# Altium PCB Flight_Computer_Unit.PcbDoc (part 2 of 3)
Units mm, origin at the board's own origin, x right, y up, seen from the top; angles counter-clockwise.
Board outline 31 x 31 mm, 6 copper layers (Top Layer, GND 2, L3, L4, GND 5, Bottom Layer), stack 1.578 mm thick; 101 components, 159 nets, 565 pads, 257 vias.
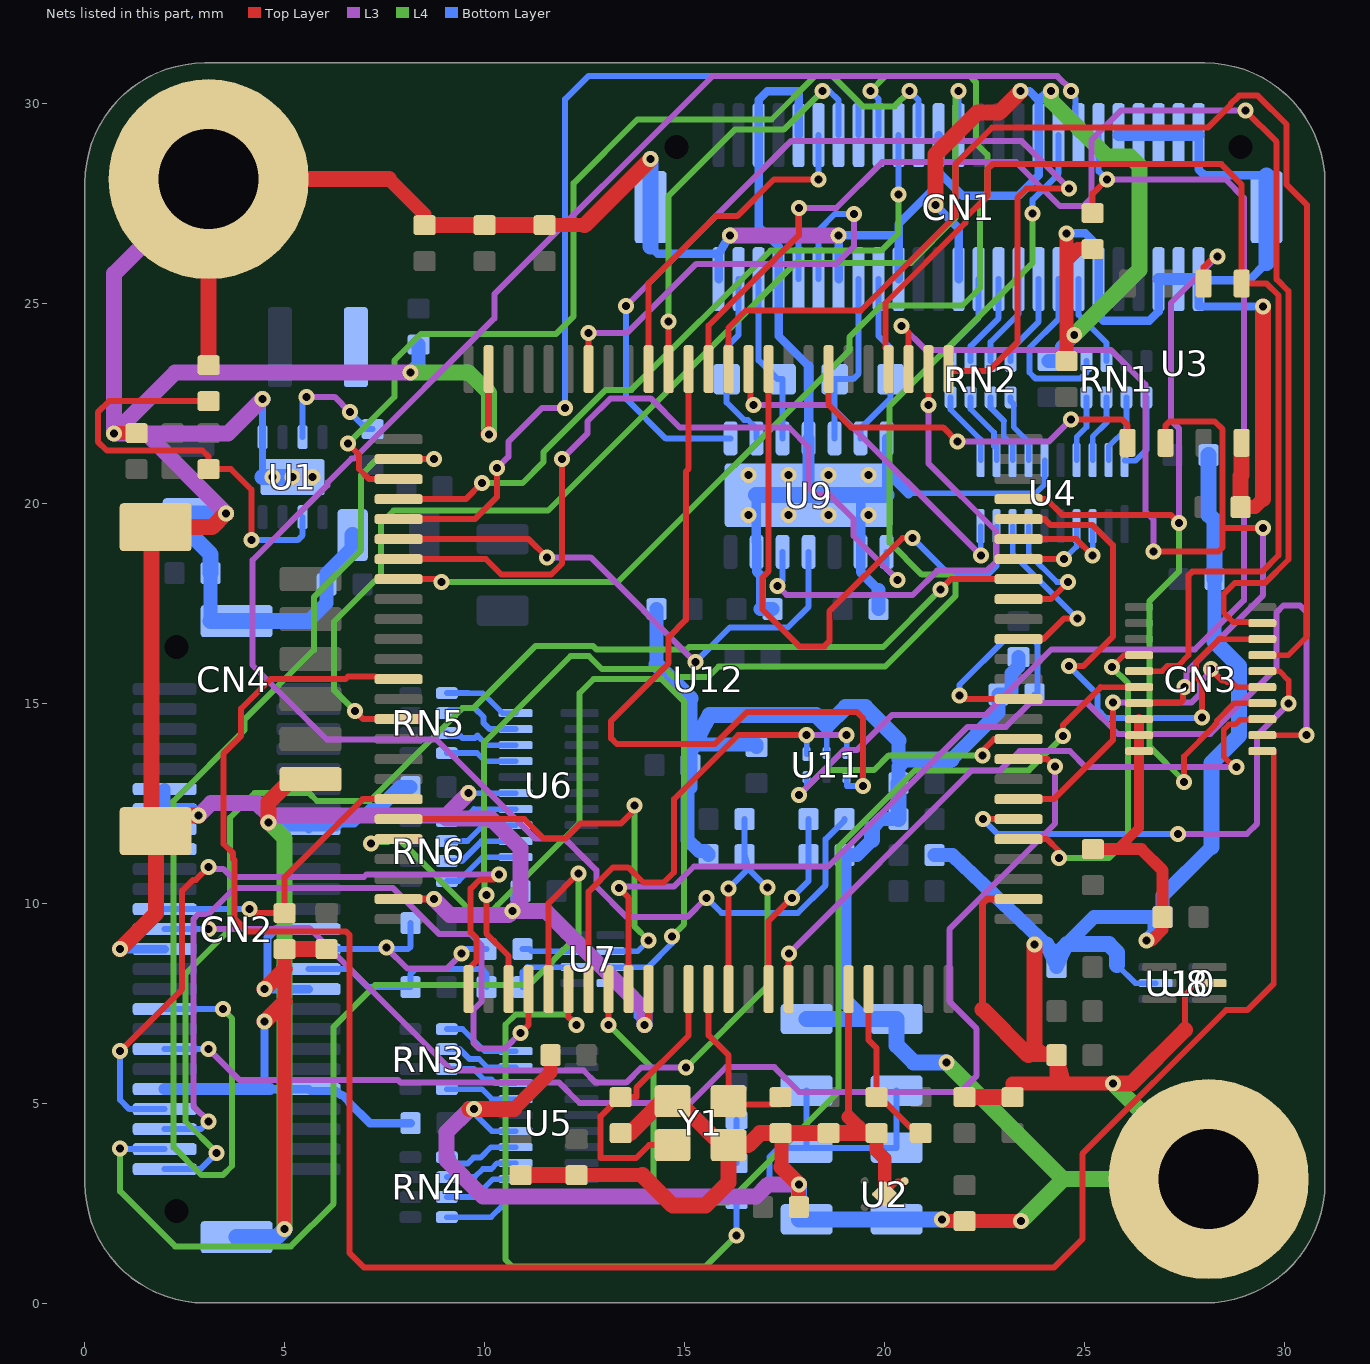
[diagram p6: the nets of this part, all layers, seen from the top]

## Via types
v1: diameter 0.4, hole 0.2, Top Layer to Bottom Layer, 257 vias

## Nets (pads, with @x,y where several pads share a name; then routed paths per layer and width w, separated by ;. In a path a pad name is that pad's centre, name@x,y a point inside that pad or via, vN(x,y) a via of type N, cw(c..) or ccw(c..) an arc to the next point about the centre after c; other vN are vias at no path point) (continued)
BOOT: CN2.23 R29.2 U12.94 | length 7.6
  Top Layer w0.15: v1(4.115,9.85) 4.215,9.75 R29.2@5,9.75 5,10.65 6.95,12.6 U12.94@7.85,12.6
  Bottom Layer w0.15: CN2.23@2,9.85 v1(4.115,9.85)
BOOT1: R28.2 U12.37 | length 5.6
  Top Layer w0.15: v1(21.872,15.189) 21.961,15.1 U12.37@23.35,15.1
  Bottom Layer w0.15: v1(21.872,15.189) 21.872,15.459 23.025,16.612 23.685,16.612 23.825,16.472 23.825,15.22 R28.2@23.75,15.22
BPWR_ON: CN2.37 U12.34 | length 31.7
  Top Layer w0.15: U12.34@23.35,13.6 24.068,13.6 v1(24.257,13.411)
  L3 w0.15: v1(3.099,6.35) 3.874,5.575 7.836,5.575 7.899,5.512 11.862,5.512 12.37,5.004 15.136,5.004 16.033,5.9 17.241,5.9 17.857,5.283 21.895,5.283 22.301,5.69 22.301,6.858 21.615,7.544 21.615,9.347 24.257,11.989 v1(24.257,13.411)
  Bottom Layer w0.15: CN2.37@2,6.35 v1(3.099,6.35)
BUZZ: CN2.33 U12.77 | length 28.9
  Top Layer w0.15: U12.77@7.85,21.1 8.73,21.1 v1(8.738,21.107)
  L4 w0.15: v1(3.454,7.35) 3.683,7.121 3.683,3.429 3.454,3.2 2.921,3.2 2.225,3.896 2.225,12.556 4,14.331 4,14.6 5.73,16.33 5.73,17.649 6.909,18.828 6.909,20.701 7.315,21.107 v1(8.738,21.107)
  Bottom Layer w0.15: CN2.33@2,7.35 v1(3.454,7.35)
CAN1_DN: CN1.36 R12.1 U9.12 | length 4.5
  Bottom Layer w0.15: U9.12@18.75,21.62 18.75,22.352 R12.1@18.75,23.1 19.214,23.1 19.35,23.236 CN1.36@19.35,25.6
CAN1_DP: CN1.34 R12.2 U9.13 | length 4.4
  Bottom Layer w0.15: U9.13@19.4,21.62 19.4,21.869 20.15,22.619 R12.2@20.15,23.1 20.15,23.875 19.85,24.175 CN1.34@19.85,25.6
CAN1_RX: U9.4 U12.81 | length 13.5
  Top Layer w0.15: U12.81@7.85,19.1 11.101,19.1 v1(11.557,18.644)
  L3 w0.15: v1(11.557,18.644) 12.649,18.644 v1(15.265,16.027)
  Bottom Layer w0.15: v1(15.265,16.027) 16.129,16.891 17.577,16.891 18.1,17.414 U9.4@18.1,18.78
CAN1_TX: U9.1 U12.82 | length 19.7
  Top Layer w0.15: U12.82@7.85,18.6 10.033,18.6 10.421,18.212 11.659,18.212 11.938,18.491 v1(11.938,21.107)
  L3 w0.15: v1(11.938,21.107) 12.567,21.736 12.567,22.041 13.148,22.622 14.148,22.622 14.879,21.891 17.609,21.891 18.1,21.4 18.1,20.4 18.3,20.2 18.63,20.2 19.225,19.605 19.225,19.18 v1(20.32,18.085)
  Bottom Layer w0.15: U9.1@20.05,18.78 20.05,18.355 v1(20.32,18.085)
CAN2_DN: CN1.48 R13.1 U9.9 | length 4.5
  Bottom Layer w0.15: CN1.48@16.35,25.6 16.35,24.21 16.05,23.91 16.05,22.516 16.488,22.079 16.585,22.079 16.8,21.863 U9.9@16.8,21.62
CAN2_DP: CN1.46 R13.2 U9.10 | length 4.3
  Bottom Layer w0.15: CN1.46@16.85,25.6 16.85,23.573 17.323,23.1 R13.2@17.45,23.1 U9.10@17.45,21.62
CAN2_RX: U9.8 U12.51 | length 25.7
  Top Layer w0.15: U12.51@21.6,23.35 21.6,23.309 22.6,23.309 23.317,24.026 23.317,27.635 23.546,27.864 v1(24.613,27.864)
  L3 w0.15: v1(13.538,24.929) 17.666,29.058 23.419,29.058 v1(24.613,27.864)
  Bottom Layer w0.15: v1(13.538,24.929) 13.538,22.606 14.529,21.615 16.15,21.615 U9.8@16.15,21.62
CAN2_TX: U9.5 U12.52 | length 12.3
  Top Layer w0.15: v1(21.1,22.454) U12.52@21.1,23.35
  L3 w0.15: v1(17.323,17.932) 17.551,17.704 20.701,17.704 21.311,18.313 22.555,18.313 22.784,18.542 22.784,19.304 21.1,20.988 v1(21.1,22.454)
  Bottom Layer w0.15: v1(17.323,17.932) 17.45,18.06 U9.5@17.45,18.78
ESC_M1: U4.3 U12.45 | length 2.7
  Top Layer w0.15: U12.45@23.35,19.1 24.794,19.1 v1(25.197,18.698)
  Bottom Layer w0.14: v1(25.197,18.698) 25.2,18.701 U4.3@25.2,19.425
ESC_M2: U4.4 U12.44 | length 2.1
  Top Layer w0.15: U12.44@23.35,18.6 v1(24.486,18.6)
  Bottom Layer w0.14: v1(24.486,18.6) 24.8,18.914 U4.4@24.8,19.425
ESC_M3: U4.7 U12.42 | length 3.4
  Top Layer w0.15: U12.42@23.35,17.6 24.158,17.6 v1(24.587,18.029)
  Bottom Layer w0.14: U4.7@23.6,19.425 23.6,18.734 24.305,18.029
  Bottom Layer w0.15: 24.305,18.029 v1(24.587,18.029)
ESC_M4: U4.8 U12.40 | length 4.7
  Top Layer w0.15: U12.40@23.35,16.6 23.968,16.6 24.488,17.12 v1(24.816,17.12)
  Bottom Layer w0.14: U4.8@23.2,19.425 23.2,18.735 v1(24.816,17.12)
ESC_M5: U4.9 U12.60 | length 15.4
  Top Layer w0.15: U12.60@17.1,23.35 17.1,18.3 16.948,18.148 16.948,17.339 17.867,16.42 18.491,16.42 18.617,16.545 18.617,17.296 20.447,19.126 v1(20.701,19.126)
  Bottom Layer w0.14: 22.8,18.431 U4.9@22.8,19.425
  Bottom Layer w0.15: v1(20.701,19.126) 21.641,18.186 22.555,18.186 22.8,18.431
ESC_M6: U4.10 U12.61 | length 8.9
  Top Layer w0.15: U12.61@16.6,23.35 16.65,23.3 16.65,22.596 16.725,22.521 v1(16.725,22.454)
  L3 w0.15: v1(16.725,22.454) 18.644,22.454 v1(22.403,18.694)
  Bottom Layer w0.14: U4.10@22.4,19.425 22.4,18.697 v1(22.403,18.694)
EXT_SPI_CS#: CN2.49 U12.43 | length 33.1
  Top Layer w0.15: v1(21.394,17.839) 21.655,18.1 U12.43@23.35,18.1
  L4 w0.15: v1(3.302,3.759) 2.521,4.541 2.521,8.236 3.632,9.347 3.632,12.136 4.246,12.75 5.612,12.75 5.808,12.554 7.123,12.554 9.445,14.875 9.719,14.875 11.269,16.425 12.712,16.425 12.799,16.338 15.046,16.338 15.11,16.402 19.958,16.402 v1(21.394,17.839)
  Bottom Layer w0.15: CN2.49@2,3.35 2.893,3.35 v1(3.302,3.759)
EXT_SPI_MISO: CN2.45 U12.4 | length 19.6
  Top Layer w0.15: v1(10.897,6.756) 11.1,6.96 U12.4@11.1,7.85
  L3 w0.15: v1(3.099,4.547) 2.718,4.928 2.718,9.601 2.845,9.728 3.099,9.728 3.746,10.375 7.712,10.375 8.856,9.231 9.634,9.231 9.925,8.941 9.925,7.541 9.725,7.341 9.725,6.502 9.855,6.372 10.512,6.372 v1(10.897,6.756)
  Bottom Layer w0.15: CN2.45@2,4.35 2.902,4.35 v1(3.099,4.547)
EXT_SPI_MOSI: CN2.47 U12.5 | length 24.8
  Top Layer w0.15: U12.5@11.6,7.85 11.6,10 v1(12.344,10.744)
  L4 w0.15: v1(0.889,3.861) 0.889,2.794 2.261,1.422 5.156,1.422 6.223,2.489 6.223,6.909 7.264,7.95 11.1,7.95 12.344,9.195 v1(12.344,10.744)
  Bottom Layer w0.15: v1(0.889,3.861) 0.9,3.85 CN2.47@2,3.85
EXT_SPI_SCK: CN2.43 U12.1 | length 18.9
  Top Layer w0.15: v1(0.889,6.299) 2.438,7.849 2.438,10.312 2.711,10.585 2.782,10.585 v1(3.1,10.904) ; U12.1@9.6,7.85 9.6,8.363 9.798,8.561 9.798,9.125 9.651,9.273 9.651,10.363 9.881,10.593 10.238,10.593 v1(10.363,10.719)
  L3 w0.15: v1(3.1,10.904) 3.148,10.856 3.463,10.856 3.665,10.654 6.984,10.654 7.049,10.719 v1(10.363,10.719)
  Bottom Layer w0.15: v1(0.889,6.299) 0.889,5.079 1.118,4.85 CN2.43@2,4.85
FMU_AREF: C36.2 R20.2 U12.21 | length 4.3
  Top Layer w0.15: U12.21@19.6,7.85 19.6,6.575 19.8,6.375 C36.2@19.8,5.15 19.888,5.15 20.788,4.25 R20.2@20.9,4.25
FMU_RC_INPUT: U11.4 U12.64 | length 19.1
  Top Layer w0.15: U12.64@15.1,23.35 15.1,20.861 15.031,20.792 15.031,17.082 14.601,16.652 14.601,15.998 13.163,14.56 13.163,14.122 13.31,13.976 15.756,13.976 16.557,14.777 19.31,14.777 19.456,14.63 v1(19.456,12.929)
  Bottom Layer w0.14: U11.4@19.05,13.15 19.05,12.929 v1(19.456,12.929)
FMU_VBAT: C24.2 C25.2 C26.2 C27.2 R18.1 U12.6 | length 23.7
  Top Layer w0.15: U12.6@12.1,7.85 12.1,7.153 v1(12.294,6.96)
  L4 w0.15: v1(12.294,6.96) 12.04,7.214 10.77,7.214 10.522,6.966 10.522,1.086 10.693,0.914 15.519,0.914 v1(16.3,1.695)
  Bottom Layer w0.15: v1(16.3,1.695) R18.1@16.3,2.6 16.662,2.6 17.12,3.057 17.12,3.658 17.347,3.885 C27.2@18.05,3.885 ; C26.2@18.05,5.315 C27.2@18.05,3.885 ; C24.2@20.3,5.315 C25.2@20.3,3.885 C27.2@18.05,3.885
FMU_XTAL_IN: C41.1 U12.12 Y1.1 | length 7.3
  Top Layer w0.15: Y1.1@14.7,3.95 14.109,3.95 13.785,3.626 12.9,3.626 12.9,4.675 13.375,5.15 C41.1@13.4,5.15 13.792,5.15 13.792,5.385 15.1,6.693 U12.12@15.1,7.85
FMU_XTAL_OUT: C40.1 U12.13 Y1.3 | length 4.6
  Top Layer w0.15: U12.13@15.6,7.85 15.6,6.698 16.1,6.198 Y1.3@16.1,5.05 16.1,4.962 17.4,4.962 C40.1@17.4,5.15
GND: C1.1 C2.1 C3.1 C5.1 C6.1 C7.1 C8.1 C9.1 C10.1 C11.1 C12.1 C13.1 C14.1 C15.2 C16.1 C17.1 C18.1 C19.1 C20.1 C21.1 C22.1 C23.1 C24.1 C25.1 C26.1 C27.1 C28.2 C29.2 C30.2 C31.2 C32.2 C33.2 C34.2 C35.2 C36.1 C37.2 C38.1 C39.1 C40.2 C41.2 C42.2 C43.2 C44.1 CN1.1 CN1.2 CN1.3 CN1.4 CN1.5 CN1.6 CN1.7 CN1.9 CN1.12 CN1.17 CN1.26 CN1.27 CN1.32 CN1.38 CN1.41 CN1.44 CN1.45 CN1.50 CN1.MP1 CN1.MP2 CN2.11 CN2.13 CN2.15 CN2.16 CN2.17 CN2.26 CN2.27 CN2.32 CN2.41 CN2.42 CN2.MP1 CN2.MP2 CN3.15 CN3.17 CN3.19 CN4.6 CN4.MP1 CN4.MP2 PTH1.1 PTH2.1 R3.1 R10.1 R15.1 R17.2 R22.1 R25.1 R27.1 R28.1 R29.1 R30.2 U1.1 U1.9 U2.2 U2.5 U3.4 U4.15 U5.15 U6.15 U7.4 U8.5 U9.2 U9.6 U9.11 U9.14 U9.15 U10.5 U11.2 U12.10 U12.20 U12.27 U12.74 U12.99 Y1.2 Y1.4 | length 369.9
  Top Layer w0.14: U2.5@20,2.725 20.325,3.05 U2.2@20.5,3.05 ; 27.508,6.83 27.508,7.721 27.788,8 U8.5@28.125,8
  Top Layer w0.175: U12.99@7.85,10.1 v1(8.738,10.1) ; v1@10.1,21.726 U12.74@10.1,23.35 ; v1(13.995,6.96) 14.1,7.064 U12.10@14.1,7.85 ; 19.1,4.657 U12.20@19.1,7.85 ; 22.45,7.344 22.45,9.995 22.555,10.1 U12.27@23.35,10.1
  Top Layer w0.25: 25.828,11.35 26.36,11.882 CN3.19@26.36,13.8 CN3.17@26.36,14.2 CN3.15@26.36,14.6
  Top Layer w0.3: C32.2@25.205,11.35 25.828,11.35 26.416,11.35 26.95,10.816 C17.1@26.95,9.65 26.95,9.347 26.671,9.068 v1(26.544,9.068)
  Top Layer w0.336: U2.5@20,2.725 20,3.62
  Top Layer w0.35: v1@0.744,21.75 R25.1@1.3,21.75 R25.1@1.3,21.742 ; v1(5,1.853) 5,7.54 5,8.354 R29.1@5,8.85 ; 7.612,28.1 8.5,27.212 C28.2@8.5,26.95 ; 10.736,4.851 11.65,5.766 C35.2@11.65,6.2 ; C34.2@11.5,26.95 12.5,26.95 ; C29.2@12.3,3.2 13.941,3.2 ; C40.2@17.4,4.25 17.424,4.25 17.424,3.404 ; C7.1@17.855,2.4 v1(17.856,2.972) ; 19.1,4.657 19.507,4.25 C36.1@19.8,4.25 19.8,3.82 20,3.62 ; v1(21.438,2.095) 21.483,2.05 C8.1@22,2.05 v1(23.41,2.05) ; C38.1@23.2,5.15 23.2,5.486 24.486,5.486 ; 23.594,6.2 23.978,6.2 ; 23.749,6.429 23.978,6.2 ; C31.2@24.55,23.55 24.55,24.017 ; v1(24.55,26.746) 24.55,26.069 ; v1(24.74,24.206) 24.55,24.017 ; R17.2@25.2,26.35 24.831,26.35 24.55,26.069 ; v1(25.714,5.486) 24.486,5.486 ; C9.1@28.9,19.9 29.261,19.9 29.464,20.103 ; 23.978,6.2 R10.1@24.3,6.2 ; R10.1@24.3,6.2 24.486,5.486 ; R10.1@24.3,6.2 24.3,5.672 24.486,5.486 ; 24.55,24.017 24.55,26.069
  Top Layer w0.4: v1(0.737,21.742) v1@0.744,21.75 ; v1(0.889,8.85) 1.778,9.739 CN4.MP2@1.778,11.8 ; v1(2.85,12.192) 2.17,12.192 CN4.MP2@1.778,11.8 ; R3.1@3.1,23.45 PTH1.1@3.1,28.1 7.612,28.1 ; v1(3.531,19.745) 3.186,19.4 CN4.MP1@1.775,19.4 1.676,19.4 1.676,11.8 CN4.MP2@1.775,11.8 CN4.MP2@1.778,11.8 ; v1(4.496,7.036) 5,7.54 ; v1(4.496,7.85) 5,8.354 ; v1@4.6,12.021 4.6,12.525 5.175,13.1 CN4.6@5.65,13.1 ; R29.1@5,8.85 C30.2@6.05,8.85 ; C28.2@8.5,26.95 C42.2@10,26.95 C34.2@11.5,26.95 ; v1@9.627,4.851 v1(9.728,4.851) 10.736,4.851 ; v1@10.1,21.726 v1(10.109,21.717) ; C12.1@10.9,3.2 C29.2@12.3,3.2 ; 12.5,26.95 v1(14.15,28.6) ; C41.2@13.4,4.25 13.64,4.25 14.44,5.05 Y1.4@14.7,5.05 14.834,5.05 15.934,3.95 Y1.2@16.1,3.95 ; 13.941,3.2 14.703,2.438 15.516,2.438 16.1,3.023 Y1.2@16.1,3.95 ; C40.2@17.4,4.25 16.886,4.25 16.586,3.95 Y1.2@16.1,3.95 ; 17.424,3.404 v1(17.856,2.972) v1(17.856,2.972) ; C40.2@17.424,4.25 C33.2@18.6,4.25 19.507,4.25 ; v1(21.267,27.457) 21.267,28.712 22.317,29.763 22.859,29.763 v1(23.399,30.302) ; C37.2@22,5.15 C38.1@23.2,5.15 ; 22.45,7.344 23.594,6.2 ; 23.749,6.429 v1(23.749,8.966) ; v1(25.714,5.486) 26.165,5.486 27.508,6.83 ; C9.1@28.9,19.9 28.9,20.676 28.925,20.701 U3.4@28.925,21.51 ; 29.464,20.103 v1(29.464,24.917)
  L3 w0.4: v1(2.85,12.192) 3.158,12.5 4.307,12.5 4.6,12.208 v1(4.6,12.02) ; PTH1.1@3.1,28.1 0.737,25.737 v1(0.737,21.742) ; v1(3.531,19.745) 1.533,21.742 ; v1(4.45,22.606) 3.586,21.742 1.533,21.742 ; v1@4.6,12.192 9.043,12.192 v1(9.601,12.75) ; v1(8.147,23.266) 2.261,23.266 v1(0.737,21.742) ; v1(8.738,10.1) 9.136,9.702 10.602,9.702 v1(10.7,9.8) ; 9.043,12.116 10.16,12.116 10.9,11.376 10.9,10 v1(10.7,9.8) ; v1(9.728,4.851) 9.627,4.851 9.042,4.267 9.042,3.581 9.957,2.667 16.789,2.667 17.094,2.972 v1(17.856,2.972) ; v1(13.995,6.96) 13.995,7.338 11.533,9.8 v1(10.7,9.8) ; v1(16.129,26.695) v1(18.85,26.695) ; v1(0.737,21.742) 1.533,21.742
  L4 w0.4: v1(4.6,12.02) 5,11.62 v1(5,1.853) ; v1(8.147,23.266) 9.601,23.266 10.109,22.758 v1(10.109,21.717) ; v1(21.54,6.02) 24.46,3.1 ; v1(23.41,2.05) 24.46,3.1 ; v1(24.163,30.302) 24.163,30.057 25.549,28.671 26.132,28.671 26.365,28.438 26.365,25.832 v1(24.74,24.206) ; v1(25.714,5.486) PTH2.1@28.1,3.1 24.46,3.1
  Bottom Layer w0.14: v1(9.601,12.75) U6.15@10.775,12.75 ; v1(9.728,4.851) 9.728,4.75 10.178,4.3 U5.15@10.775,4.3 ; U7.4@13.15,8 13.514,8 13.792,7.722 13.792,7.163 v1(13.995,6.96) ; U11.2@18.55,13.75 18.55,14.437 18.555,14.432 ; 20.599,20.244 23.774,20.244 24,20.469 U4.15@24,21.075 ; 25.806,8.457 26.264,8 U10.5@26.775,8
  Bottom Layer w0.175: U1.9@4.45,20.65 U1.1@4.45,21.65 v1(4.45,22.606)
  Bottom Layer w0.21: v1(0.889,8.85) CN2.27@2,8.85 ; v1(4.496,7.036) 4.496,5.486 4.632,5.35 CN2.42@5.6,5.35 5.645,5.305 6.295,5.305 6.395,5.205 6.441,5.205 6.595,5.051 6.595,5.032 7.127,4.5 C13.1@8.15,4.5 ; v1(4.496,7.85) v1@4.674,7.85 ; v1(4.6,12.02) 4.651,12.02 4.776,11.895 5.555,11.895 CN2.16@5.6,11.85 5.645,11.895 6.295,11.895 6.395,11.995 6.737,11.995 7.144,12.402 7.386,12.402 ; CN2.32@5.6,7.85 v1@4.674,7.85 ; CN2.26@5.6,9.35 4.778,9.35 4.572,9.144 4.572,7.952 v1@4.674,7.85 ; 14.15,26.414 14.326,26.238 CN1.50@15.85,26.238 ; CN1.50@15.85,25.6 CN1.50@15.85,26.238 ; CN1.41@17.85,29.2 17.85,30.3 17.848,30.302 17.069,30.302 16.85,30.083 CN1.45@16.85,29.2 16.85,26.916 17.071,26.695 ; 18.1,23.429 17.35,24.179 CN1.44@17.35,25.6 17.35,26.416 17.071,26.695 ; CN1.38@18.85,25.6 v1(18.85,26.695) 20.3,26.695 ; CN1.32@20.35,25.6 20.35,26.975 21.35,27.975 21.35,28.282 ; v1(21.267,27.457) 21.85,26.873 CN1.26@21.85,25.6 ; CN1.27@21.35,29.2 21.35,28.282 ; v1(23.399,30.302) 23.621,30.302 23.85,30.074 ; v1(24.163,30.302) 24.079,30.302 23.85,30.074 ; v1(24.55,26.746) 25.02,26.746 25.35,26.416 CN1.12@25.35,25.6 25.35,24.676 25.464,24.562 26.621,24.562 26.85,24.79 CN1.6@26.85,25.6 ; CN1.2@27.85,25.6 CN1.2@27.85,25.578 ; CN1.1@27.85,29.2 27.85,28.346 28.002,28.194 CN1.MP1@29.55,28.194 ; v1(29.464,24.917) 27.85,24.917 CN1.2@27.85,25.578 ; 29.55,26.01 29.118,25.578 CN1.2@27.85,25.578 ; CN1.50@15.85,26.238 v1(16.129,26.695) 17.071,26.695 ; 21.35,28.282 21.946,27.686 23.343,27.686 23.85,28.193 CN1.17@23.85,29.2 23.85,30.074
  Bottom Layer w0.245: U9.15@16.789,20.2 16.789,19.035 16.8,19.025 U9.6@16.8,18.78 16.8,18.288 16.9,18.188 16.9,17.35 ; U9.11@18.1,21.62 18.1,23.429 ; U9.15@19.4,20.2 U9.2@19.4,18.78 19.4,18.281 19.85,17.831 ; U9.15@20.05,20.2 U9.15@20.05,20.793 ; U9.14@20.05,21.62 U9.15@20.05,20.793 ; 20.599,20.244 U9.15@20.05,20.793
  Bottom Layer w0.3: CN2.41@2,5.35 4.632,5.35 ; CN2.17@2,11.35 CN2.15@2,11.85 CN2.13@2,12.35 ; CN2.11@2,12.85 CN2.13@2,12.35 ; v1(2.85,12.192) 2.823,12.192 2.665,12.35 CN2.13@2,12.35 ; U9.15@18.1,20.2 U9.11@18.1,21.62 ; CN1.9@25.85,29.2 CN1.7@26.35,29.2 CN1.5@26.85,29.2 CN1.3@27.35,29.2 CN1.1@27.85,29.2 ; CN1.6@26.85,25.6 CN1.4@27.35,25.6 CN1.2@27.85,25.6
  Bottom Layer w0.35: CN2.MP1@3.15,17.05 C1.1@3.15,18.25 ; 5.599,17.05 6.05,17.501 C2.1@6.05,17.97 6.05,18.237 C5.1@6.7,18.887 ; 7.386,12.402 7.884,12.9 C14.1@8.15,12.9 ; v1(8.147,23.266) 8.35,23.47 C6.1@8.35,23.965 ; v1(10.7,9.8) 10.7,9.814 10.825,9.939 10.825,10.225 C16.1@10.9,10.3 ; 14.3,15.964 C18.1@14.3,17.35 ; 15.15,15.114 15.15,13.962 ; C44.1@15.6,11.2 15.6,11.225 15.525,11.3 15.355,11.3 15.075,11.58 15.075,12.821 15.15,12.896 15.15,13.818 15.15,13.962 ; C22.1@16.8,13.9 16.8,13.962 15.228,13.962 15.15,13.962 ; 16.9,17.35 C20.1@17.2,17.35 ; 19,7.561 R27.1@19,11.2 19.304,11.2 19.685,11.581 ; 19.685,11.871 19.914,12.1 C39.1@20.35,12.1 ; C19.1@19.85,17.35 19.85,17.831 ; R30.2@20.35,13 20.35,13.411 20.442,13.503 20.534,13.595 ; 20.35,13.595 20.35,14.067 ; R22.1@21.25,11.2 21.693,11.2 23.889,9.113 24.043,8.966 R15.1@24.3,8.4 ; 21.673,13.595 22.85,14.773 R28.1@22.85,15.22 23.169,15.22 23.169,15.737 23.35,15.918 C10.1@23.35,16.15 ; 24.046,8.966 24.3,8.712 R15.1@24.3,8.4 ; C11.1@24.1,23.55 24.435,23.55 24.435,23.901 v1(24.74,24.206) ; v1(26.544,9.068) 26.742,9.267 C21.1@26.742,9.65 ; 28.169,11.405 26.95,10.186 C21.1@26.95,9.65 C21.1@26.742,9.65 ; 28.25,16.541 C23.1@28.25,18.105 ; R15.1@24.3,8.4 24.563,8.975 25.238,9.65 C21.1@26.742,9.65
  Bottom Layer w0.4: CN2.MP1@3.15,17.05 CN2.MP1@3.8,17.05 5.599,17.05 ; C1.1@3.15,18.25 3.15,18.72 2.6,19.27 C3.1@2.6,19.745 v1(3.531,19.745) ; CN2.MP2@3.8,1.65 4.797,1.65 v1(5,1.853) ; U1.9@4.45,20.65 v1(4.7,20.65) v1(5.2,20.65) ; C5.1@6.7,18.887 C5.1@6.7,19.2 ; 14.15,26.414 CN1.MP2@14.15,27.4 v1(14.15,28.6) ; 14.3,15.964 15.15,15.114 ; 15.15,13.818 15.228,13.962 15.625,14.699 18.288,14.699 18.55,14.437 ; U9.15@16.789,20.2 U9.15@18.1,20.2 19.4,20.2 U9.15@20.05,20.2 ; v1(17.856,2.972) 17.856,2.095 C27.1@18.05,2.095 C25.1@20.3,2.095 v1(21.438,2.095) ; C26.1@18.05,7.105 19.456,7.105 ; 18.555,14.432 19.025,14.902 19.515,14.902 20.35,14.067 ; 19,7.561 19.456,7.105 ; 19.685,11.581 19.685,11.871 ; C39.1@20.35,12.1 R30.2@20.35,13 ; 20.534,13.595 21.673,13.595 ; v1(21.54,6.02) 20.726,6.02 20.3,6.446 C24.1@20.3,7.105 19.456,7.105 ; v1(23.749,8.966) 24.043,8.966 24.046,8.966 ; 24.3,8.712 24.563,8.975 25.603,8.975 25.806,8.772 25.806,8.457 ; C43.2@28.1,21.2 28.1,19.708 28.25,19.558 C23.1@28.25,18.105 ; 28.169,11.405 28.169,13.5 28.862,14.194 28.862,15.928 28.25,16.541 ; 29.55,26.01 CN1.MP1@29.55,27.4 CN1.MP1@29.55,28.194
  other v1: 16.6,19.7 17.6,19.7 18.6,19.7 19.6,19.7 5.7,20.65 16.6,20.7 17.6,20.7 18.6,20.7 19.6,20.7
GPIO1: CN1.25 U12.90 | length 28.4
  Top Layer w0.15: v1(6.756,14.808) 6.965,14.6 U12.90@7.85,14.6
  L4 w0.15: v1(6.756,14.808) 6.23,15.335 6.23,17.029 7.409,18.208 7.409,19.499 7.722,19.812 11.582,19.812 17.78,26.01 20.653,26.01 21.772,27.128 21.772,30.224 v1(21.85,30.302)
  Bottom Layer w0.15: CN1.25@21.85,29.2 v1(21.85,30.302)
GPIO2: CN1.40 U12.69 | length 11.5
  Top Layer w0.15: v1(12.598,24.257) 12.6,24.255 U12.69@12.6,23.35
  L3 w0.15: v1(12.598,24.257) 13.564,24.257 15.291,25.984 18.796,25.984 19.228,26.416 v1(19.228,27.229)
  Bottom Layer w0.15: CN1.40@18.35,25.6 18.35,26.822 18.756,27.229 v1(19.228,27.229)
I2C_SCL: U7.2 U12.95 | length 11.1
  Top Layer w0.15: U12.95@7.85,12.1 10.995,12.1 11.481,11.614 12.019,11.614 12.4,11.995 13.411,11.995 13.741,12.325 v1(13.741,12.446)
  L4 w0.15: v1(13.741,12.446) 13.741,9.423 v1(14.097,9.068)
  Bottom Layer w0.14: U7.2@13.15,8.8 13.829,8.8 v1(14.097,9.068)
I2C_SCL_MB: CN2.28 R5.2 R7.2 | length 6.1
  L3 w0.15: v1(7.544,8.89) 8.071,8.363 9.048,8.363 v1(9.423,8.738)
  Bottom Layer w0.15: CN2.28@5.6,8.85 v1@7.504,8.85 ; v1(7.544,8.89) v1@7.504,8.85 ; R5.2@8.15,9.5 8.15,8.915 8.085,8.85 v1@7.504,8.85 ; v1(9.423,8.738) 9.536,8.85 R7.2@10.05,8.85
I2C_SDA: U7.3 U12.96 | length 21.9
  Top Layer w0.15: v1(7.16,11.491) 7.227,11.491 7.286,11.55 7.8,11.55 U12.96@7.85,11.6
  L4 w0.15: v1(7.16,11.491) 7.201,11.533 7.585,11.533 7.66,11.608 7.849,11.608 9.703,9.754 10.125,9.754 10.325,9.954 ; 10.325,9.955 12.37,12 12.37,15.249 12.725,15.605 14.418,15.605 14.986,15.037 14.986,9.474 v1(14.681,9.169)
  Bottom Layer w0.14: U7.3@13.15,8.4 14.088,8.4
  Bottom Layer w0.15: 14.088,8.4 14.681,8.993 v1(14.681,9.169)
I2C_SDA_MB: CN2.30 R6.1 R8.2 | length 5.4
  Bottom Layer w0.15: CN2.30@5.6,8.35 6.629,8.35 7.079,7.9 R6.1@8.15,7.9 8.15,8.23 8.277,8.357 9.923,8.357 10.05,8.23 R8.2@10.05,7.9
ICM_INT#: CN3.11 U12.8 | length 26.8
  Top Layer w0.14: 25.4,15.4 CN3.11@26.36,15.4
  Top Layer w0.15: v1(13.1,6.96) U12.8@13.1,7.85 ; v1(24.46,14.173) 24.46,14.46 25.4,15.4
  L4 w0.15: v1(13.1,6.96) 14.224,5.836 14.224,2.921 14.63,2.515 16.079,2.515 18.847,5.283 18.847,11.407 20.758,13.319 23.606,13.319 v1(24.46,14.173)
IMU_HEAT_CTL: CN1.42 CN3.4 U12.63 | length 35.9
  Top Layer w0.14: 28.753,18.009 28.48,17.736 28.48,17.259 28.709,17.03 29.41,17.03 CN3.4@29.44,17
  Top Layer w0.15: U12.63@15.6,23.35 15.6,24.441 17.856,26.697 v1(17.856,27.381) ; 28.753,18.009 29.513,18.009 30.095,18.591 30.095,25.3 29.798,25.597 29.798,29.032 v1(29.016,29.815)
  L3 w0.15: v1(17.856,27.381) 18.796,27.381 19.939,28.524 23.283,28.524 24.382,27.426 24.962,27.426 25.171,27.635 25.171,29.083 25.903,29.815 v1(29.016,29.815)
  Bottom Layer w0.15: CN1.42@17.85,25.6 17.85,27.375 v1(17.856,27.381)
MB_ESC_M1: CN1.14 RN1.6 | length 2.3
  Bottom Layer w0.15: CN1.14@24.85,25.6 24.85,24.705 25.545,24.01 RN1.6@25.545,23.555
MB_ESC_M2: CN1.16 RN1.5 | length 4.5
  Bottom Layer w0.15: CN1.16@24.35,25.6 24.35,24.613 23.622,23.885 23.622,23.266 23.774,23.114 24.893,23.114 25.045,23.266 RN1.5@25.045,23.555
MB_ESC_M3: CN1.18 RN2.8 | length 2.3
  Bottom Layer w0.15: RN2.8@23.15,23.555 23.15,23.836 23.85,24.536 CN1.18@23.85,25.6
MB_ESC_M4: CN1.20 RN2.7 | length 2.3
  Bottom Layer w0.15: RN2.7@22.65,23.555 22.65,24.028 23.35,24.728 CN1.20@23.35,25.6
MB_ESC_M5: CN1.22 RN2.6 | length 2.3
  Bottom Layer w0.15: RN2.6@22.15,23.555 22.15,23.927 22.85,24.627 CN1.22@22.85,25.6
MB_ESC_M6: CN1.24 RN2.5 | length 2.3
  Bottom Layer w0.15: RN2.5@21.65,23.555 21.65,23.938 22.35,24.638 CN1.24@22.35,25.6
MPU_INT#: CN3.8 U12.62 | length 32.8
  Top Layer w0.14: CN3.8@29.44,16.2 30.094,16.2 30.556,16.662
  Top Layer w0.15: U12.62@16.1,23.35 16.1,24.384 16.532,24.816 19.406,24.816 21.768,27.178 21.768,28.473 22.682,29.388 28.079,29.388 28.641,29.949 28.641,29.97 28.86,30.19 29.325,30.19 30.048,29.467 30.048,27.965 30.556,27.457 30.556,16.662
NetD1_1: D1.1 R18.2 | length 1.1
  Bottom Layer w0.15: R18.2@16.3,3.5 D1.1@16.3,4.575
NetL1_2: L1.2
NetR1_1: R1.1 R3.2 U1.6 | length 11.2
  Top Layer w0.15: R3.2@3.1,22.55 0.61,22.55 0.33,22.271 0.33,21.539 0.559,21.311 2.946,21.311 3.1,21.157 R1.1@3.1,20.85 3.658,20.85 4.166,20.342 v1(4.166,19.075)
  Bottom Layer w0.15: v1(4.166,19.075) 5.323,19.075 5.45,19.202 U1.6@5.45,19.65
NetR7_1: R7.1 U7.7 | length 1.3
  Bottom Layer w0.14: R7.1@11.175,8.8 U7.7@12.25,8.8
  Bottom Layer w0.15: R7.1@10.95,8.85 11.125,8.85 R7.1@11.175,8.8
NetR8_1: R8.1 U7.6 | length 1.7
  Bottom Layer w0.14: 11.074,8.4 U7.6@12.25,8.4
  Bottom Layer w0.15: R8.1@10.95,7.9 10.95,8.276 11.074,8.4
NetRN1_1: RN1.1 U4.20 | length 2
  Bottom Layer w0.14: U4.20@26,21.075 26,21.057 26.266,21.057 26.545,21.336 RN1.1@26.545,22.645
NetRN1_2: RN1.2 U4.19 | length 1.8
  Bottom Layer w0.14: U4.19@25.6,21.075 25.6,21.412 26.045,21.857 RN1.2@26.045,22.645
NetRN1_3: RN1.3 U4.18 | length 1.7
  Bottom Layer w0.14: U4.18@25.2,21.075 25.2,21.666 25.545,22.011
  Bottom Layer w0.15: 25.545,22.011 RN1.3@25.545,22.645
NetRN1_4: RN1.4 U4.17 | length 1.7
  Bottom Layer w0.14: U4.17@24.8,21.075 24.8,21.656 25.045,21.901 RN1.4@25.045,22.645
NetRN2_1: RN2.1 U4.14 | length 1.8
  Bottom Layer w0.14: RN2.1@23.223,22.478 23.223,21.906 23.6,21.529 U4.14@23.6,21.075
  Bottom Layer w0.15: RN2.1@23.15,22.645 23.15,22.55 RN2.1@23.223,22.478
NetRN2_2: RN2.2 U4.13 | length 1.9
  Bottom Layer w0.14: 22.978,22.056 22.978,21.666 23.105,21.539 23.2,21.539 U4.13@23.2,21.075
  Bottom Layer w0.15: RN2.2@22.65,22.645 22.65,22.384 22.978,22.056
NetRN2_3: RN2.3 U4.12 | length 1.9
  Bottom Layer w0.14: 22.15,22.352 22.733,21.769 22.733,21.421 22.8,21.421 U4.12@22.8,21.075
  Bottom Layer w0.15: 22.15,22.352 RN2.3@22.15,22.645
NetRN2_4: RN2.4 U4.11 | length 1.9
  Bottom Layer w0.14: 21.65,22.343 22.4,21.593 U4.11@22.4,21.075
  Bottom Layer w0.15: 21.65,22.343 RN2.4@21.65,22.645
NetRN3_1: RN3.1 U5.20 | length 1.9
  Bottom Layer w0.14: 9.449,6.85 9.999,6.3 U5.20@10.775,6.3
  Bottom Layer w0.15: RN3.1@9.055,6.85 9.449,6.85
NetRN3_2: RN3.2 U5.19 | length 1.9
  Bottom Layer w0.14: 9.855,6.1 10.055,5.9 U5.19@10.775,5.9
  Bottom Layer w0.15: RN3.2@9.055,6.35 9.373,6.35 9.623,6.1 9.855,6.1
NetRN3_3: RN3.3 U5.18 | length 1.9
  Bottom Layer w0.14: 9.728,5.85 9.985,5.593 10.171,5.593 10.265,5.5 U5.18@10.775,5.5
  Bottom Layer w0.15: RN3.3@9.055,5.85 9.728,5.85
NetRN3_4: RN3.4 U5.17 | length 1.8
  Bottom Layer w0.14: RN3.4@9.055,5.35 9.931,5.35 10.181,5.1 U5.17@10.775,5.1
NetRN4_1: RN4.1 U5.14 | length 2.1
  Bottom Layer w0.14: 9.897,3.637 10.16,3.9 U5.14@10.775,3.9
  Bottom Layer w0.15: RN4.1@9.055,3.65 9.204,3.65 9.204,3.487 9.57,3.487 9.721,3.637 9.897,3.637
NetRN4_2: RN4.2 U5.13 | length 1.9
  Bottom Layer w0.14: 9.749,3.15 9.954,3.356 10.166,3.356 10.311,3.5 U5.13@10.775,3.5
  Bottom Layer w0.15: RN4.2@9.055,3.15 9.749,3.15
NetRN4_3: RN4.3 U5.12 | length 1.9
  Bottom Layer w0.14: 9.761,2.65 10.211,3.1 U5.12@10.775,3.1
  Bottom Layer w0.15: RN4.3@9.055,2.65 9.761,2.65
NetRN4_4: RN4.4 U5.11 | length 2.1
  Bottom Layer w0.14: RN4.4@9.055,2.15 10.16,2.15 10.439,2.429 10.439,2.7 U5.11@10.775,2.7
NetRN5_1: RN5.1 U6.20 | length 1.9
  Bottom Layer w0.14: 9.601,15.25 9.95,15.25 10.45,14.75 U6.20@10.775,14.75
  Bottom Layer w0.15: RN5.1@9.055,15.25 9.601,15.25
NetRN5_2: RN5.2 U6.19 | length 2.1
  Bottom Layer w0.15: RN5.2@9.055,14.75 9.13,14.825 9.395,14.825 9.445,14.875 9.755,14.875 9.975,14.655 9.975,14.5 10.125,14.35 U6.19@10.775,14.35
NetRN5_3: RN5.3 U6.18 | length 1.9
  Bottom Layer w0.14: 9.817,14.187 10.054,13.95 U6.18@10.775,13.95
  Bottom Layer w0.15: RN5.3@9.055,14.25 9.13,14.175 9.395,14.175 9.445,14.125 9.755,14.125 9.817,14.187
NetRN5_4: RN5.4 U6.17 | length 1.8
  Bottom Layer w0.14: 9.804,13.75 10.004,13.55 U6.17@10.775,13.55
  Bottom Layer w0.15: RN5.4@9.055,13.75 9.804,13.75
NetRN6_1: RN6.1 U6.14 | length 1.8
  Bottom Layer w0.14: 9.732,12.35 U6.14@10.775,12.35
  Bottom Layer w0.15: RN6.1@9.055,12.05 9.432,12.05 9.732,12.35
NetRN6_2: RN6.2 U6.13 | length 1.9
  Bottom Layer w0.14: 9.569,11.55 9.969,11.95 U6.13@10.775,11.95
  Bottom Layer w0.15: RN6.2@9.055,11.55 9.569,11.55
NetRN6_3: RN6.3 U6.12 | length 1.9
  Bottom Layer w0.14: 9.924,11.55 U6.12@10.775,11.55
  Bottom Layer w0.15: RN6.3@9.055,11.05 9.424,11.05 9.924,11.55
NetRN6_4: RN6.4 U6.11 | length 2
  Bottom Layer w0.14: 9.347,10.55 9.947,11.15 U6.11@10.775,11.15
  Bottom Layer w0.15: RN6.4@9.055,10.55 9.347,10.55
RC_INPUT: CN1.11 R17.1 U11.6 U12.35 | length 35.7
  Top Layer w0.15: v1(22.45,13.694) 22.45,13.818 22.732,14.1 U12.35@23.35,14.1 ; R17.1@25.2,27.25 25.2,27.739 v1(25.553,28.092)
  L3 w0.15: v1(17.856,12.7) 18.98,13.824 19.304,13.824 20.187,14.707 22.53,14.707 24.165,16.342 27.753,16.342 28.981,17.571 28.981,27.635 28.524,28.092 v1(25.553,28.092)
  L4 w0.15: v1(17.856,12.7) 18.48,13.324 19.733,13.324 20.103,13.694 v1(22.45,13.694)
  Bottom Layer w0.14: v1(17.856,12.7) 18.05,12.894 U11.6@18.05,13.15
  Bottom Layer w0.15: CN1.11@25.35,29.2 25.35,28.296 v1(25.553,28.092)
RC_PWR3_ON#: CN1.15 U12.3 | length 34.5
  Top Layer w0.15: v1(10.042,10.202) 10.042,9.236 10.6,8.679 U12.3@10.6,7.85
  L4 w0.15: v1(10.042,10.202) 9.994,10.249 9.994,10.557 9.982,10.569 9.982,14.013 12.145,16.175 12.608,16.175 12.929,15.855 14.522,15.855 14.724,15.652 15.584,15.652 15.846,15.914 20.008,15.914 21.769,17.675 21.769,18.085 21.641,18.214 20.928,18.214 20.123,19.019 20.123,22.434 23.698,26.01 v1(23.698,27.237)
  Bottom Layer w0.15: v1(23.698,27.237) 23.698,27.587 24.35,28.239 CN1.15@24.35,29.2
RSSI_IN: CN1.13 R26.2 | length 49.5
  L3 w0.15: v1(15.545,10.135) 15.063,9.653 13.556,9.653 12.793,10.416 12.793,10.826 12.005,11.614 11.268,11.614 8.791,14.091 6.054,14.091 4.197,15.948 4.197,18.576 6.066,20.446 6.066,20.486 6.075,20.495 6.075,20.517 6.672,21.113 6.734,21.113 10.242,24.622 10.242,25.225 15.695,30.677 24.319,30.677 24.663,30.333 v1(24.663,30.302)
  Bottom Layer w0.15: v1(15.545,10.135) 15.92,9.76 17.834,9.76 18.525,10.451 18.525,11.6 19,12.075 R26.2@19,12.1 ; v1(24.663,30.302) 24.663,30.235 24.775,30.123 24.775,29.275 CN1.13@24.85,29.2
RSSI_IN_R: R26.1 R27.2 U12.16 | length 4.7
  Top Layer w0.15: U12.16@17.1,7.85 17.1,9.556 v1(17.678,10.135)
  Bottom Layer w0.15: v1(17.678,10.135) 18.1,10.556 R27.2@18.1,11.2 R26.1@18.1,12.1
RST#: C44.2 CN2.25 R19.1 U12.14 | length 25.6
  Top Layer w0.15: U12.14@16.1,7.85 v1(16.1,10.37)
  L3 w0.15: v1(3.099,9.35) 5.645,9.35 9.178,5.817 12.471,5.817 12.776,5.512 13.538,5.512 13.919,5.893 v1(15.037,5.893)
  L4 w0.15: v1(15.037,5.893) 17.069,7.925 v1(17.069,10.389)
  Bottom Layer w0.15: CN2.25@2,9.35 v1(3.099,9.35) ; v1(16.1,10.37) 16.594,10.864 ; R19.1@16.5,12.1 C44.2@16.5,11.2 ; v1(17.069,10.389) 16.594,10.864 ; C44.2@16.5,11.2 16.594,10.864 ; C44.2@16.5,11.2 16.5,10.957 16.594,10.864
S_AGND: R4.1 U1.3 | length 3
  L3 w0.15: v1(5.552,22.657) 6.248,22.657 v1(6.629,22.276)
  Bottom Layer w0.15: U1.3@5.45,21.65 5.45,22.555 v1(5.552,22.657) ; v1(6.629,22.276) 7.055,21.85 R4.1@7.2,21.85
SBUS_INV: U11.1 U11.3 U12.7 | length 12.8
  Top Layer w0.15: U12.7@12.6,7.85 12.6,10.289 13.208,10.897 13.589,10.897 13.97,10.516 14.478,10.516 14.732,10.77 14.732,12.598 16.332,14.199 v1(18.05,14.199)
  L3 w0.15: v1(18.05,14.199) v1(19.05,14.199)
  Bottom Layer w0.14: U11.1@18.05,13.725 v1(18.05,14.199) ; U11.3@19.05,13.75 v1(19.05,14.199)
SDIO_CLK: CN1.35 U12.80 | length 22.4
  Top Layer w0.15: U12.80@7.85,19.6 9.754,19.6 10.312,20.159 v1(10.312,20.879)
  L3 w0.15: v1(10.312,20.879) 10.592,21.158 10.592,21.539 11.43,22.377 v1(12.014,22.377)
  Bottom Layer w0.15: v1(12.014,22.377) 12.014,30.099 12.598,30.683 18.694,30.683 19.35,30.028 CN1.35@19.35,29.2
SDIO_CMD: CN1.33 U12.83 | length 27.2
  Top Layer w0.15: U12.83@7.85,18.1 8.849,18.1 v1(8.915,18.034)
  L4 w0.15: v1(8.915,18.034) 13.334,18.034 19.115,23.815 19.115,24.144 19.914,24.943 21.946,24.943 22.383,25.381 22.383,27.469 22.569,27.655 22.569,28.714 22.282,29.001 22.282,30.525 22.123,30.683 20.028,30.683 v1(19.647,30.302)
  Bottom Layer w0.15: v1(19.647,30.302) 19.85,30.099 CN1.33@19.85,29.2
SDIO_D0: CN1.37 U12.65 | length 10.6
  Top Layer w0.15: U12.65@14.6,23.35 v1(14.6,24.536)
  L4 w0.15: v1(14.6,24.536) 14.6,27.681 16.256,29.337 17.475,29.337 v1(18.44,30.302)
  Bottom Layer w0.15: v1(18.44,30.302) 18.621,30.302 18.85,30.074 CN1.37@18.85,29.2
SDIO_D1: CN1.39 U12.66 | length 8.6
  Top Layer w0.15: U12.66@14.1,23.35 14.1,25.501 15.775,27.176 16.313,27.176 17.229,28.092 v1(18.35,28.092)
  Bottom Layer w0.15: v1(18.35,28.092) CN1.39@18.35,29.2
SDIO_D2: CN1.29 U12.78 | length 23.9
  Top Layer w0.15: v1(6.579,21.488) 6.858,21.209 6.858,20.854 7.112,20.6 U12.78@7.85,20.6
  L4 w0.15: v1(6.579,21.488) 7.747,22.657 7.747,23.571 8.407,24.232 11.786,24.232 12.225,24.671 12.225,27.998 13.818,29.591 17.17,29.591 18.263,30.683 18.694,30.683 19.456,29.921 20.244,29.921 v1(20.625,30.302)
  Bottom Layer w0.15: v1(20.625,30.302) 20.85,30.077 CN1.29@20.85,29.2
SDIO_D3: CN1.31 U12.79 | length 17.9
  Top Layer w0.15: U12.79@7.85,20.1 9.528,20.1 v1(9.931,20.504)
  L4 w0.15: v1(9.931,20.504) 10.948,20.504 11.475,21.031 11.475,21.284 13.025,22.835 13.665,22.835 17.145,26.314 19.914,26.314 20.35,26.751 v1(20.35,27.711)
  Bottom Layer w0.15: v1(20.35,27.711) CN1.31@20.35,29.2
SPI1_CLK: CN3.7 U12.30 | length 8.5
  Top Layer w0.14: v1(25.679,15.9) 25.979,16.2 CN3.7@26.36,16.2
  Top Layer w0.15: U12.30@23.35,11.6 24.062,11.6 24.359,11.303 v1(24.359,11.125)
  L4 w0.15: v1(24.359,11.125) 25.603,11.125 26.086,11.608 26.086,15.494 v1(25.679,15.9)
SPI1_CS_ICM#: CN3.18 U12.9 | length 28.4
  Top Layer w0.14: CN3.18@29.44,14.2 v1(30.55,14.2)
  Top Layer w0.15: v1(13.36,10.379) 13.6,10.139 U12.9@13.6,7.85
  L3 w0.15: v1(13.36,10.379) 13.402,10.42 14.736,10.42 15.232,10.916 18.587,10.916 22.077,14.406 23.029,14.406 23.625,15.001 25.063,15.001 25.834,14.23 28.143,14.23 29.8,15.887 29.8,17.272 29.972,17.444 30.378,17.444 30.55,17.272 v1(30.55,14.2)
SPI1_CS_LIS3#: CN3.6 U12.46 | length 13.7
  Top Layer w0.14: 28.448,16.6 CN3.6@29.44,16.6
  Top Layer w0.15: U12.46@23.35,19.6 24.003,19.6 24.143,19.46 25.193,19.46 25.705,18.948 25.705,16.662 24.968,15.926 v1(24.613,15.926) ; v1(27.927,14.638) 27.927,15.516 27.777,15.666 27.777,16.013 28.364,16.6 28.448,16.6
  Bottom Layer w0.15: v1(24.613,15.926) 25.324,15.215 25.324,14.834 25.527,14.63 27.919,14.63 v1(27.927,14.638)
SPI1_CS_MPU#: CN3.16 U12.17 | length 16.5
  Top Layer w0.14: v1(28.8,13.4) 28.739,13.4 28.48,13.659 28.48,14.341 28.609,14.47 28.767,14.47 28.88,14.583 29.423,14.583 CN3.16@29.44,14.6
  Top Layer w0.15: U12.17@17.6,7.85 17.6,8.735 v1(17.602,8.738)
  L3 w0.15: v1(17.602,8.738) 22.183,13.319 22.894,13.319 23.374,13.798 24.632,13.798 25.03,13.4 v1(28.8,13.4)
SPI1_MISO: CN3.10 U12.31 | length 12.7
  Top Layer w0.14: CN3.10@29.44,15.8 29.87,15.8 30.099,15.571 v1(30.099,14.986)
  Top Layer w0.15: v1(22.454,12.1) U12.31@23.35,12.1
  L3 w0.15: v1(27.33,11.735) 29.058,11.735 29.312,11.989 29.312,14.199 v1(30.099,14.986)
  Bottom Layer w0.15: v1(22.454,12.1) 22.819,11.735 v1(27.33,11.735)
SPI1_MOSI: CN3.12 U12.32 | length 8.4
  Top Layer w0.14: 28.677,15.525 28.802,15.4 CN3.12@29.44,15.4
  Top Layer w0.15: U12.32@23.35,12.6 24.232,12.6 25.705,14.073 v1(25.705,15.011) ; v1(28.152,15.858) 28.152,15.851 28.443,15.561 28.524,15.561 28.56,15.525 28.677,15.525
  L3 w0.15: v1(25.705,15.011) 27.665,15.011 27.885,15.231 27.885,15.524 28.152,15.792 v1(28.152,15.858)
SPI2_CLK: CN3.14 U3.6 U12.47 | length 22.7
  Top Layer w0.14: 27.483,13.628 27.483,13.671 28.24,14.428 28.24,14.441 28.297,14.498 28.297,14.558 28.739,15 CN3.14@29.44,15
  Top Layer w0.15: U12.47@23.35,20.1 24.045,20.1 24.435,19.71 27.153,19.71 v1(27.356,19.507) ; v1(27.483,13.025) 27.483,13.628 ; U3.6@27.975,25.49 27.975,25.902 28.245,26.172 v1(28.321,26.172)
  L3 w0.15: v1(27.356,19.507) 27.356,21.869 27.153,22.073 27.153,25.003 v1(28.321,26.172)
  L4 w0.15: v1(27.356,19.507) 27.356,18.288 26.619,17.551 26.619,13.919 27.483,13.056 v1(27.483,13.025)
SPI2_CS_FRAM#: U3.1 U12.57 | length 9.5
  Top Layer w0.15: U12.57@18.6,23.35 18.6,22.454 19.159,21.895 21.463,21.895 v1(21.819,21.539) ; v1(24.663,22.098) 25.923,22.098 26.075,21.946 U3.1@26.075,21.51
  L3 w0.15: v1(21.819,21.539) 24.105,21.539 v1(24.663,22.098)
SPI2_CS_LPS25#: CN3.20 U12.88 | length 54.4
  Top Layer w0.14: CN3.20@29.44,13.8 29.724,13.8 29.724,7.982
  Top Layer w0.15: U12.88@7.85,15.6 7.335,15.6 7.269,15.666 6.585,15.666 6.519,15.6 4.647,15.6 3.914,14.867 3.914,14.184 3.475,13.745 3.475,11.48 3.711,11.244 3.711,11.108 3.74,11.08 3.74,9.619 4.063,9.296 6.528,9.296 6.625,9.199 6.625,1.249 6.985,0.889 24.232,0.889 24.943,1.6 24.943,3.734 28.533,7.324 29.067,7.324 29.724,7.982
SPI2_MISO: CN3.13 U3.2 U12.53 | length 26.1
  Top Layer w0.15: v1(20.422,24.435) 20.6,24.257 U12.53@20.6,23.35 ; CN3.13@26.36,15 27.375,15 27.452,15.077 27.452,15.352 v1(27.5,15.4) ; v1(26.721,18.796) 28.346,18.796 28.448,18.898 28.448,19.38 ; U3.2@27.025,21.51 27.025,21.946 27.127,22.047 28.245,22.047 28.448,21.844 28.448,19.38 ; v1(29.464,19.38) 28.448,19.38
  L3 w0.15: v1(20.422,24.435) 21.026,23.831 25.654,23.831 26.522,22.963 26.522,19.787 26.721,19.588 v1(26.721,18.796) ; v1(27.5,15.4) 27.548,15.448 27.548,15.784 29.464,17.7 v1(29.464,19.38)
SPI2_MOSI: CN3.9 U3.5 U12.54 | length 28.6
  Top Layer w0.14: CN3.9@26.36,15.8 26.935,15.8 27.065,15.93 27.33,15.93 27.6,16.2
  Top Layer w0.15: U12.54@20.1,23.35 20.1,23.875 20.022,23.875 20.022,25.006 22.022,27.006 22.022,27.131 22.569,27.678 22.569,28.346 22.697,28.475 28.415,28.475 28.925,27.965 U3.5@28.925,25.49 29.552,25.49 29.845,25.197 29.845,18.694 29.439,18.288 27.688,18.288 27.6,18.2 27.6,16.2